# KiCad board [DFR1142]Lite Carrier for LattePanda Mu.kicad_pcb (continued)
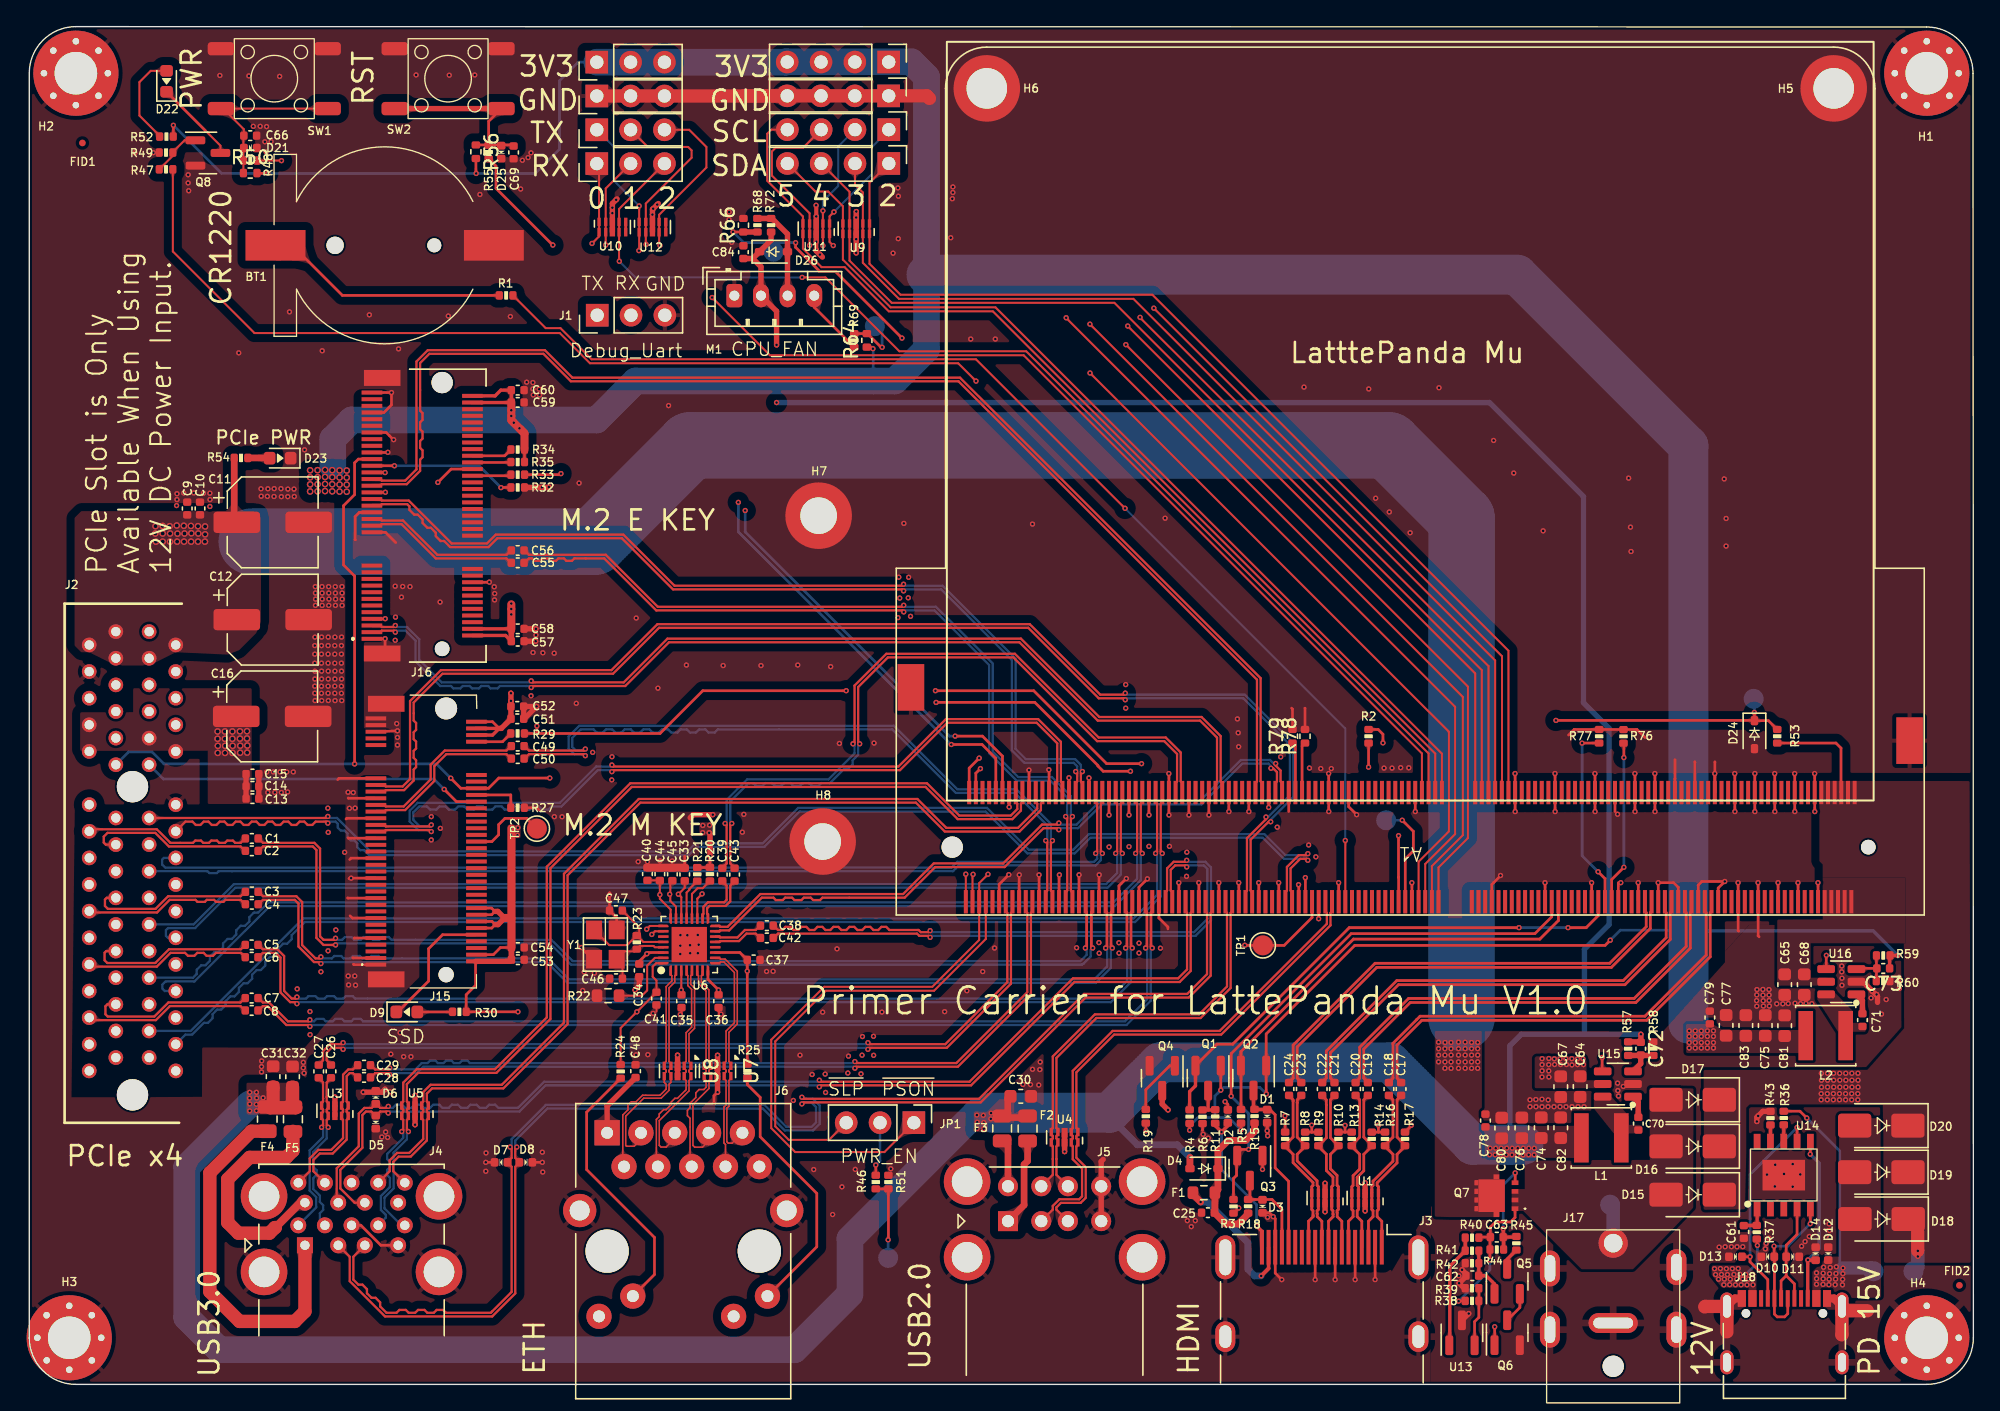
[diagram p0: board, top side]
## Library data of the parts (continued)
Q7 = -: DF_Comment: PMOS管NCE30P28Q-DFN3.3X3.3-8L
R1 R11 R37 R47 = -: DF_Comment: 贴片电阻0402-1K-1%; ki_fp_filters: R_*
R2 R20 R21 R34-R36 R38 R40 R49 R50 R56 R58 = -: DF_Comment: 贴片电阻0402-10K-1%; ki_fp_filters: R_*
R3 R5 R15 R18 R19 R30 R39 R52 R53 = -: DF_Comment: 贴片电阻0402-2.2K-1%; ki_fp_filters: R_*
R4 R23 = -: DF_Comment: 贴片电阻0402-1M-1%; ki_fp_filters: R_*
R6 R41 R42 R54 R59 R66 R68 = -: DF_Comment: 贴片电阻0402-21.5K-1%; ki_fp_filters: R_*
R7-R10 R13 R14 R16 R17 R24 R25 = -: DF_Comment: 贴片电阻0402-470R-1%; ki_fp_filters: R_*
R22 = -: DF_Comment: 贴片电阻0603-2.49K-1%(0603-1.6*0.8*0.4); ki_fp_filters: R_*
R27 R29 R32 R33 = -: DF_Comment: 贴片电阻0402-0R-1%; ki_fp_filters: R_*
R43 = -: DF_Comment: 贴片电阻0402-56K-1%(0402); ki_fp_filters: R_*
R44 R45 R51 R76 R77 = -: DF_Comment: 贴片电阻0402-100K-1%; ki_fp_filters: R_*
R46 R48 R55 R69 = -: DF_Comment: 贴片电阻0402-100R-1%; ki_fp_filters: R_*
R57 = -: DF_Comment: 贴片电阻0402-75K-1%; ki_fp_filters: R_*
R60 R64 R72 = -: DF_Comment: 贴片电阻0402-4.7K-1%; ki_fp_filters: R_*
R78 R79 = -: Description: Resistor; ki_fp_filters: R_*
SW1 SW2 = -: DF_Comment: 4脚贴片轻触按键6*6*6mm(金属盖板)
TP1 TP2 = -: ki_fp_filters: Pin* Test*
TP3-TP13 = -: Description: test point; ki_fp_filters: Pin* Test*
U1 U2 = -: Datasheet: https://www.diodes.com/assets/Datasheets/D3V3XA4B10LP.pdf; Buy_Link: https://item.szlcsc.com/2973358.html; DF_Comment: ESD静电保护IC-TPAZ1023-04F-DFN2510-10L; ki_fp_filters: Diodes*UDFN*1.0x2.5mm*P0.5mm*
U3-U5 U7-U12 = -: Datasheet: https://www.diodes.com/assets/Datasheets/D3V3XA4B10LP.pdf; DF_Comment: ESD静电保护IC-BV-ULC0524P-DFN2510-10L; ki_fp_filters: Diodes*UDFN*1.0x2.5mm*P0.5mm*
U6 = -: DF_Comment: 以太网控制器IC-RTL8111H-CG-RH(PCIE-LAN)-QFN32; ki_fp_filters: RTL8111H_QFN32
U13 = -: Datasheet: http://www.ti.com/lit/ds/symlink/tl431.pdf; DF_Comment: 参考电压-TL431ACDBZR-SOT23（丝印TAC）; ki_fp_filters: SOT?23*
U14 = -: DF_Comment: USB PD等快充协议受电芯片-CH224K-ESSOP10; ki_fp_filters: ESSOP10
U15 U16 = -: Datasheet: https://atta.szlcsc.com/upload/public/pdf/source/20180625/C93736_E75EC6FD4320D65590D2D5BF0D8B8959.pdf; Buy_Link: https://item.szlcsc.com/94934.html; DF_Comment: Buck IC-SY8253ADC-TSOT-23-6; ki_fp_filters: TSOT?23*
Y1 = -: DF_Comment: 贴片晶振-4脚无源-25M-20ppm-3.2*2.5(3225); ki_fp_filters: Crystal*

## Footprints (pads in the part's own frame, mm; a bottom-side part is the same pattern mirrored in y, then rotated)
Battery_Holder_CR1220_S8411-45R
  round 1.05 hole 1.05 unplated: (0,3.725)
  round 1.3 hole 1.3 unplated: (0,-3.725)
  rect 2.3x4.5 smd: 1(0,-8.2) 2(0,8.2)
C_0402_1005Metric
  rrect 0.56x0.62 smd: 1(-0.48,0) 2(0.48,0)
C_0603_1608Metric
  rrect 0.9x0.95 smd: 1(-0.775,0) 2(0.775,0)
CP_Elec_6.3x7.7
  rrect 3.5x1.6 smd: 1(-2.7,0) 2(2.7,0)
Crystal_SMD_3225-4Pin_3.2x2.5mm
  rect 1.4x1.2 smd: 1(-1.1,-0.85) 2(1.1,-0.85) 3(1.1,0.85) 4(-1.1,0.85)
D_0402_1005Metric
  rrect 0.59x0.64 smd: 1(-0.485,0) 2(0.485,0)
D_SMA
  rrect 2.5x1.8 smd: 1(-2,0) 2(2,0)
D_SOD-323
  rrect 0.7x0.55 smd: 1(-1.05,0) 2(1.05,0)
DC_Jack_DC007B_30V_10A
  round 1.6 hole 1.6 unplated: (0,-2.75)
  round 2.2 hole 1.4: 1(0,-12)
  oval 3.7x1.5 hole 3x0.8: 2(0,-6)
  oval 1.5x2.7 hole 0.8x2: 3(-4.75,-5.5) 3(-4.75,-10.2) 3(4.75,-5.5) 3(4.75,-10.1)
Diodes_UDFN-10_1.0x2.5mm_P0.5mm
  rect 0.625x0.25 smd: 1(-0.388,1) 2(-0.388,0.5) 4(-0.388,-0.5) 5(-0.388,-1) 6(0.388,-1) 7(0.388,-0.5) 9(0.388,0.5) 10(0.388,1)
  rect 0.7x0.4 smd: 3(-0.35,0)
  rect 0.575x0.4 smd: 8(0.412,0)
Diodes_UDFN-10_1.0x2.5mm_P0.5mm#2
  rect 0.625x0.25 smd: 1(-0.388,1) 2(-0.388,0.5) 4(-0.388,-0.5) 5(-0.388,-1) 6(0.388,-1) 7(0.388,-0.5) 9(0.388,0.5) 10(0.388,1)
  rect 0.7x0.45 smd: 3(-0.35,0)
  rect 0.575x0.45 smd: 8(0.412,0)
ESSOP-10-1EP_3.9x5mm_P1.0mm_EP3.2x2.3
  rect 2.3x3.2 smd: 0(0,0)
  rect 1.1x0.51 smd: 1(-2.55,2) 2(-2.55,1) 3(-2.55,0) 4(-2.55,-1) 5(-2.55,-2) 6(2.55,-2) 7(2.55,-1) 8(2.55,0) 9(2.55,1) 10(2.55,2)
Fiducial_0.5mm_Mask1mm
  round 0.5 smd: (0,0)
Fuse_0805_2012Metric
  rrect 0.975x1.4 smd: 1(-0.938,0) 2(0.938,0)
HDMI_A_Molex_208658-1001_Horizontal
  rect 2.6x0.3 smd: 1(-3.285,4.5) 2(-3.285,4) 3(-3.285,3.5) 4(-3.285,3) 5(-3.285,2.5) 6(-3.285,2) 7(-3.285,1.5) 8(-3.285,1) 9(-3.285,0.5) 10(-3.285,0) 11(-3.285,-0.5) 12(-3.285,-1) 13(-3.285,-1.5) 14(-3.285,-2) 15(-3.285,-2.5) 16(-3.285,-3) 17(-3.285,-3.5) 18(-3.285,-4) 19(-3.285,-4.5)
  oval 3.3x1.5 hole 2.7x0.9: SH(-2.525,7.25) SH(-2.525,-7.25)
  oval 2.3x1.5 hole 1.7x0.9: SH(3.435,7.25) SH(3.435,-7.25)
JST_PH_B4B-PH-K_1x04_P2.00mm_Vertical
  rrect 1.2x1.75 hole 0.75: 1(0,0)
  oval 1.2x1.75 hole 0.75: 2(2,0) 3(4,0) 4(6,0)
L_Sunlord_SWPA4020S
  rect 1.1x3.7 smd: 1(-1.5,0) 2(1.5,0)
LattePanda_Module_H8.0mm_Horizontal
  round 1.1 hole 1.1 unplated: (-34.4,0)
  round 1.6 hole 1.6 unplated: (34.4,0)
  rect 0.3x1.75 smd: 1(33.375,4.1) 2(33.125,-4.1) 3(32.875,4.1) 4(32.625,-4.1) 5(32.375,4.1) 6(32.125,-4.1) 7(31.875,4.1) 8(31.625,-4.1) 9(31.375,4.1) 10(31.125,-4.1) 11(30.875,4.1) 12(30.625,-4.1) 13(30.375,4.1) 14(30.125,-4.1) 15(29.875,4.1) 16(29.625,-4.1) 17(29.375,4.1) 18(29.125,-4.1) 19(28.875,4.1) 20(28.625,-4.1) 21(28.375,4.1) 22(28.125,-4.1) 23(27.875,4.1) 24(27.625,-4.1) 25(27.375,4.1) 26(27.125,-4.1) 27(26.875,4.1) 28(26.625,-4.1) 29(26.375,4.1) 30(26.125,-4.1) 31(25.875,4.1) 32(25.625,-4.1) 33(25.375,4.1) 34(25.125,-4.1) 35(24.875,4.1) 36(24.625,-4.1) 37(24.375,4.1) 38(24.125,-4.1) 39(23.875,4.1) 40(23.625,-4.1) 41(23.375,4.1) 42(23.125,-4.1) 43(22.875,4.1) 44(22.625,-4.1) 45(22.375,4.1) 46(22.125,-4.1) 47(21.875,4.1) 48(21.625,-4.1) 49(21.375,4.1) 50(21.125,-4.1) 51(20.875,4.1) 52(20.625,-4.1) 53(20.375,4.1) 54(20.125,-4.1) 55(19.875,4.1) 56(19.625,-4.1) 57(19.375,4.1) 58(19.125,-4.1) 59(18.875,4.1) 60(18.625,-4.1) 61(18.375,4.1) 62(18.125,-4.1) 63(17.875,4.1) 64(17.625,-4.1) 65(17.375,4.1) 66(17.125,-4.1) 67(16.875,4.1) 68(16.625,-4.1) 69(16.375,4.1) 70(16.125,-4.1) 71(15.875,4.1) 72(15.625,-4.1) 73(15.375,4.1) 74(15.125,-4.1) 75(14.875,4.1) 76(14.625,-4.1) 77(14.375,4.1) 78(14.125,-4.1) 79(13.875,4.1) 80(13.625,-4.1) 81(13.375,4.1) 82(13.125,-4.1) 83(12.875,4.1) 84(12.625,-4.1) 85(12.375,4.1) 86(12.125,-4.1) 87(11.875,4.1) 88(11.625,-4.1) 89(11.375,4.1) 90(11.125,-4.1) 91(10.875,4.1) 92(10.625,-4.1) 93(10.375,4.1) 94(10.125,-4.1) 95(9.875,4.1) 96(9.625,-4.1) 97(9.375,4.1) 98(9.125,-4.1) 99(8.875,4.1) 100(8.625,-4.1) 101(8.375,4.1) 102(8.125,-4.1) 103(7.875,4.1) 104(7.625,-4.1) 105(7.375,4.1) 106(7.125,-4.1) 107(6.875,4.1) 108(6.625,-4.1) 109(6.375,4.1) 110(6.125,-4.1) 111(5.875,4.1) 112(5.625,-4.1) 113(5.375,4.1) 114(5.125,-4.1) 115(4.875,4.1) 116(4.625,-4.1) 117(4.375,4.1) 118(4.125,-4.1) 119(3.875,4.1) 120(3.625,-4.1) 121(3.375,4.1) 122(3.125,-4.1) 123(2.875,4.1) 124(2.625,-4.1) 125(2.375,4.1) 126(2.125,-4.1) 127(1.875,4.1) 128(1.625,-4.1) 129(1.375,4.1) 130(1.125,-4.1) 131(0.875,4.1) 132(0.625,-4.1) 133(0.375,4.1) 134(0.125,-4.1) 135(-0.125,4.1) 136(-0.375,-4.1) 137(-0.625,4.1) 138(-0.875,-4.1) 139(-1.125,4.1) 140(-1.375,-4.1) 141(-1.625,4.1) 142(-1.875,-4.1) 143(-2.125,4.1) 144(-2.375,-4.1) 145(-4.625,4.1) 146(-4.875,-4.1) 147(-5.125,4.1) 148(-5.375,-4.1) 149(-5.625,4.1) 150(-5.875,-4.1) 151(-6.125,4.1) 152(-6.375,-4.1) 153(-6.625,4.1) 154(-6.875,-4.1) 155(-7.125,4.1) 156(-7.375,-4.1) 157(-7.625,4.1) 158(-7.875,-4.1) 159(-8.125,4.1) 160(-8.375,-4.1) 161(-8.625,4.1) 162(-8.875,-4.1) 163(-9.125,4.1) 164(-9.375,-4.1) 165(-9.625,4.1) 166(-9.875,-4.1) 167(-10.125,4.1) 168(-10.375,-4.1) 169(-10.625,4.1) 170(-10.875,-4.1) 171(-11.125,4.1) 172(-11.375,-4.1) 173(-11.625,4.1) 174(-11.875,-4.1) 175(-12.125,4.1) 176(-12.375,-4.1) 177(-12.625,4.1) 178(-12.875,-4.1) 179(-13.125,4.1) 180(-13.375,-4.1) 181(-13.625,4.1) 182(-13.875,-4.1) 183(-14.125,4.1) 184(-14.375,-4.1) 185(-14.625,4.1) 186(-14.875,-4.1) 187(-15.125,4.1) 188(-15.375,-4.1) 189(-15.625,4.1) 190(-15.875,-4.1) 191(-16.125,4.1) 192(-16.375,-4.1) 193(-16.625,4.1) 194(-16.875,-4.1) 195(-17.125,4.1) 196(-17.375,-4.1) 197(-17.625,4.1) 198(-17.875,-4.1) 199(-18.125,4.1) 200(-18.375,-4.1) 201(-18.625,4.1) 202(-18.875,-4.1) 203(-19.125,4.1) 204(-19.375,-4.1) 205(-19.625,4.1) 206(-19.875,-4.1) 207(-20.125,4.1) 208(-20.375,-4.1) 209(-20.625,4.1) 210(-20.875,-4.1) 211(-21.125,4.1) 212(-21.375,-4.1) 213(-21.625,4.1) 214(-21.875,-4.1) 215(-22.125,4.1) 216(-22.375,-4.1) 217(-22.625,4.1) 218(-22.875,-4.1) 219(-23.125,4.1) 220(-23.375,-4.1) 221(-23.625,4.1) 222(-23.875,-4.1) 223(-24.125,4.1) 224(-24.375,-4.1) 225(-24.625,4.1) 226(-24.875,-4.1) 227(-25.125,4.1) 228(-25.375,-4.1) 229(-25.625,4.1) 230(-25.875,-4.1) 231(-26.125,4.1) 232(-26.375,-4.1) 233(-26.625,4.1) 234(-26.875,-4.1) 235(-27.125,4.1) 236(-27.375,-4.1) 237(-27.625,4.1) 238(-27.875,-4.1) 239(-28.125,4.1) 240(-28.375,-4.1) 241(-28.625,4.1) 242(-28.875,-4.1) 243(-29.125,4.1) 244(-29.375,-4.1) 245(-29.625,4.1) 246(-29.875,-4.1) 247(-30.125,4.1) 248(-30.375,-4.1) 249(-30.625,4.1) 250(-30.875,-4.1) 251(-31.125,4.1) 252(-31.375,-4.1) 253(-31.625,4.1) 254(-31.875,-4.1) 255(-32.125,4.1) 256(-32.375,-4.1) 257(-32.625,4.1) 258(-32.875,-4.1) 259(-33.125,4.1) 260(-33.375,-4.1)
  rect 2x3.5 smd: MP(-37.5,-8) MP(37.5,-12)
LED_0603_1608Metric
  rrect 0.875x0.95 smd: 1(-0.787,0) 2(0.787,0)
MOSFET_PDFN8_3.3x3.3
  rect 0.35x0.5 smd: 1(-0.975,-1.4) 2(-0.325,-1.4) 3(0.325,-1.4) 4(0.975,-1.4)
  rect 0.4x0.3 smd: 5(0.975,1.5) 6(0.325,1.5) 7(-0.325,1.5) 8(-0.975,1.5)
  rect 2.45x1.98 smd: 9(0,0.36)
  rect 0.38x0.43 smd: 10(1.415,0) 11(-1.415,0)
MountingHole_2.7mm_M2_Pad_TopOnly
  round 2.9 hole 2.75: 1(0,0)
  round 5 smd: 1(0,0)
MountingHole_3.2mm_M3_Pad_Via
  round 0.8 hole 0.5: 1(-2.4,0) 1(-1.697,1.697) 1(-1.697,-1.697) 1(0,2.4) 1(0,-2.4) 1(1.697,1.697) 1(1.697,-1.697) 1(2.4,0)
  round 6.4 hole 3.2: 1(0,0)
MountingHole_3mm_M2_Pad_TopOnly
  round 3.2 hole 3.05: 1(0,0)
  round 5 smd: 1(0,0)
PCIe_M.2_Connectors_P=0.5mm_H=4.2mm_KeyE
  round 1.1 hole 1.1 unplated: (-0.75,-5.275)
  round 1.6 hole 1.6 unplated: (19.25,-5.275)
  rect 0.3x1.55 smd: 1(0,0) 2(0.25,-7.55) 3(0.5,0) 4(0.75,-7.55) 5(1,0) 6(1.25,-7.55) 7(1.5,0) 8(1.75,-7.55) 9(2,0) 10(2.25,-7.55) 11(2.5,0) 12(2.75,-7.55) 13(3,0) 14(3.25,-7.55) 15(3.5,0) 16(3.75,-7.55) 17(4,0) 18(4.25,-7.55) 19(4.5,0) 20(4.75,-7.55) 21(5,0) 22(5.25,-7.55) 23(5.5,0) 32(7.75,-7.55) 33(8,0) 34(8.25,-7.55) 35(8.5,0) 36(8.75,-7.55) 37(9,0) 38(9.25,-7.55) 39(9.5,0) 40(9.75,-7.55) 41(10,0) 42(10.25,-7.55) 43(10.5,0) 44(10.75,-7.55) 45(11,0) 46(11.25,-7.55) 47(11.5,0) 48(11.75,-7.55) 49(12,0) 50(12.25,-7.55) 51(12.5,0) 52(12.75,-7.55) 53(13,0) 54(13.25,-7.55) 55(13.5,0) 56(13.75,-7.55) 57(14,0) 58(14.25,-7.55) 59(14.5,0) 60(14.75,-7.55) 61(15,0) 62(15.25,-7.55) 63(15.5,0) 64(15.75,-7.55) 65(16,0) 66(16.25,-7.55) 67(16.5,0) 68(16.75,-7.55) 69(17,0) 70(17.25,-7.55) 71(17.5,0) 72(17.75,-7.55) 73(18,0) 74(18.25,-7.55) 75(18.5,0)
  rect 1.2x2.75 smd: MP1(-1.1,-0.775) MP2(19.6,-0.775)
PCIe_M.2_Connectors_P=0.5mm_H=4.2mm_KeyM
  round 1.15 hole 1.15 unplated: (-10,-1.7)
  round 1.65 hole 1.65 unplated: (10,-1.7)
  rect 0.3x1.55 smd: 1(-9.25,3.575) 2(-9,-3.975) 3(-8.75,3.575) 4(-8.5,-3.975) 5(-8.25,3.575) 6(-8,-3.975) 7(-7.75,3.575) 8(-7.5,-3.975) 9(-7.25,3.575) 10(-7,-3.975) 11(-6.75,3.575) 12(-6.5,-3.975) 13(-6.25,3.575) 14(-6,-3.975) 15(-5.75,3.575) 16(-5.5,-3.975) 17(-5.25,3.575) 18(-5,-3.975) 19(-4.75,3.575) 20(-4.5,-3.975) 21(-4.25,3.575) 22(-4,-3.975) 23(-3.75,3.575) 24(-3.5,-3.975) 25(-3.25,3.575) 26(-3,-3.975) 27(-2.75,3.575) 28(-2.5,-3.975) 29(-2.25,3.575) 30(-2,-3.975) 31(-1.75,3.575) 32(-1.5,-3.975) 33(-1.25,3.575) 34(-1,-3.975) 35(-0.75,3.575) 36(-0.5,-3.975) 37(-0.25,3.575) 38(0,-3.975) 39(0.25,3.575) 40(0.5,-3.975) 41(0.75,3.575) 42(1,-3.975) 43(1.25,3.575) 44(1.5,-3.975) 45(1.75,3.575) 46(2,-3.975) 47(2.25,3.575) 48(2.5,-3.975) 49(2.75,3.575) 50(3,-3.975) 51(3.25,3.575) 52(3.5,-3.975) 53(3.75,3.575) 54(4,-3.975) 55(4.25,3.575) 56(4.5,-3.975) 57(4.75,3.575) 58(5,-3.975) 67(7.25,3.575) 68(7.5,-3.975) 69(7.75,3.575) 70(8,-3.975) 71(8.25,3.575) 72(8.5,-3.975) 73(8.75,3.575) 74(9,-3.975) 75(9.25,3.575)
  rect 1.2x2.75 smd: MP1(-10.35,2.8) MP2(10.35,2.8)
PCIe_x4_Gen3Slot_Connectors
  round 2.35 hole 2.35 unplated: (11.65,-1.25) (34.8,-1.25)
  round 1.1 hole 0.7: A1(0,0) A2(1,2) A3(2,0) A4(3,2) A5(4,0) A6(5,2) A7(6,0) A8(7,2) A9(8,0) A10(9,2) A11(10,0) A12(13,2) A13(14,0) A14(15,2) A15(16,0) A16(17,2) A17(18,0) A18(19,2) A19(20,0) A20(21,2) A21(22,0) A22(23,2) A23(24,0) A24(25,2) A25(26,0) A26(27,2) A27(28,0) A28(29,2) A29(30,0) A30(31,2) A31(32,0) A32(33,2) B1(0,-2.5) B2(1,-4.5) B3(2,-2.5) B4(3,-4.5) B5(4,-2.5) B6(5,-4.5) B7(6,-2.5) B8(7,-4.5) B9(8,-2.5) B10(9,-4.5) B11(10,-2.5) B12(13,-4.5) B13(14,-2.5) B14(15,-4.5) B15(16,-2.5) B16(17,-4.5) B17(18,-2.5) B18(19,-4.5) B19(20,-2.5) B20(21,-4.5) B21(22,-2.5) B22(23,-4.5) B23(24,-2.5) B24(25,-4.5) B25(26,-2.5) B26(27,-4.5) B27(28,-2.5) B28(29,-4.5) B29(30,-2.5) B30(31,-4.5) B31(32,-2.5) B32(33,-4.5)
PinHeader_1x03_P2.54mm_Vertical
  rect 1.7x1.7 hole 1: 1(0,0)
  oval 1.7x1.7 hole 1: 2(0,-2.54) 3(0,-5.08)
PinHeader_1x04_P2.54mm_Vertical
  rect 1.7x1.7 hole 1: 1(0,0)
  oval 1.7x1.7 hole 1: 2(0,-2.54) 3(0,-5.08) 4(0,-7.62)
QFN-32-1EP_4x4mm_P0.4mm_EP2.65x2.65mm
  rrect 1.07x1.07 smd: (-0.66,0.66) (-0.66,-0.66) (0.66,0.66) (0.66,-0.66)
  custom 0.8x0.2 smd: 1(-1.95,1.4) 8(-1.95,-1.4) 17(1.95,-1.4) 24(1.95,1.4)
  rrect 0.8x0.2 smd: 2(-1.95,1) 3(-1.95,0.6) 4(-1.95,0.2) 5(-1.95,-0.2) 6(-1.95,-0.6) 7(-1.95,-1) 18(1.95,-1) 19(1.95,-0.6) 20(1.95,-0.2) 21(1.95,0.2) 22(1.95,0.6) 23(1.95,1)
  custom 0.2x0.8 smd: 9(-1.4,-1.95) 16(1.4,-1.95) 25(1.4,1.95) 32(-1.4,1.95)
  rrect 0.2x0.8 smd: 10(-1,-1.95) 11(-0.6,-1.95) 12(-0.2,-1.95) 13(0.2,-1.95) 14(0.6,-1.95) 15(1,-1.95) 26(1,1.95) 27(0.6,1.95) 28(0.2,1.95) 29(-0.2,1.95) 30(-0.6,1.95) 31(-1,1.95)
  rect 2.65x2.65 smd: 33(0,0)
R_0402_1005Metric
  rrect 0.54x0.64 smd: 1(-0.51,0) 2(0.51,0)
R_0603_1608Metric
  rrect 0.8x0.95 smd: 1(-0.825,0) 2(0.825,0)
R_0805_2012Metric
  rrect 1.025x1.4 smd: 1(-0.912,0) 2(0.912,0)
RJ45_UDE_RB1-125B8G1A
  round 3.25 hole 3.25 unplated: (0,-8.89) (11.43,-8.89)
  round 1.9 hole 0.9: L1(12.04,-12.27) L2(9.5,-13.79) L3(1.93,-12.27) L4(-0.61,-13.79) R2(1.27,-2.54) R3(2.54,0) R4(3.81,-2.54) R5(5.08,0) R6(6.35,-2.54) R7(7.62,0) R8(8.89,-2.54) R9(10.16,0) R10(11.43,-2.54)
  rect 1.9x1.9 hole 0.9: R1(0,0)
  round 2.5 hole 1.5: SH(-2.06,-5.84) SH(13.49,-5.84)
SOT-23
  rrect 1.475x0.6 smd: 1(-0.938,0.95) 2(-0.938,-0.95) 3(0.938,0)
SW_Push_6x6x6
  rrect 2x1 smd: 1(-4,2.25) 1(4,2.25) 2(-4,-2.25) 2(4,-2.25)
TestPoint_Pad_D1.5mm
  round 1.5 smd: 1(0,0)
TSOT-23-6
  rrect 1.325x0.6 smd: 1(-1.137,0.95) 2(-1.137,0) 3(-1.137,-0.95) 4(1.137,-0.95) 5(1.137,0) 6(1.137,0.95)
USB3_A_Molex_48406-0001_Horizontal_Stacked
  rect 1.2x1.2 hole 0.7: 1(0,0)
  round 1.2 hole 0.7: 2(2.5,0) 3(4.5,0) 4(7,0) 5(7.5,1.5) 6(5.5,1.5) 7(3.5,1.5) 8(1.5,1.5) 9(-0.5,1.5) 10(0,3.2) 11(2.5,3.2) 12(4.5,3.2) 13(7,3.2) 14(7.5,4.7) 15(5.5,4.7) 16(3.5,4.7) 17(1.5,4.7) 18(-0.5,4.7)
  round 3.5 hole 2.3: 19(-3.07,3.68) 19(-3.07,-2) 19(10.07,3.68) 19(10.07,-2)
USB_A_CUI_UJ2-ADH-TH_Horizontal_Stacked
  rect 1.5x1.5 hole 0.92: 1(0,0)
  round 1.5 hole 0.92: 2(0,-2.5) 3(0,-4.5) 4(0,-7) 5(2.62,0) 6(2.62,-2.5) 7(2.62,-4.5) 8(2.62,-7)
  round 3.5 hole 2.3: 9(-2.71,3.07) 9(-2.71,-10.07) 9(2.97,3.07) 9(2.97,-10.07)
USB_C_Receptacle_G-Switch_GT-USB-7010ASV
  round 0.65 hole 0.65 unplated: (-2.89,2.605) (2.89,2.605)
  rect 0.6x1.24 smd: A1(-3.2,3.725) A4(-2.4,3.725) A9(2.4,3.725) A12(3.2,3.725) B1(3.2,3.725) B4(2.4,3.725) B9(-2.4,3.725) B12(-3.2,3.725)
  rect 0.3x1.24 smd: A5(-1.25,3.725) A6(-0.25,3.725) A7(0.25,3.725) A8(1.25,3.725) B5(1.75,3.725) B6(0.75,3.725) B7(-0.75,3.725) B8(-1.75,3.725)
  oval 1x2.1 hole 0.6x1.7: S1(-4.32,3.125) S1(4.32,3.125)
  oval 1x1.8 hole 0.6x1.4: S1(-4.32,-1.075) S1(4.32,-1.075)

## Nets
5V_HDMI_VCC: C25.1 D4.1 F1.1 R15.1 R18.1
+1V0: C33.2 C34.2 C35.2 C36.2 C40.2 C44.2 U6.3 U6.8 U6.22 U6.24 U6.30
+3V3: C13.2 C14.2 C15.1 C16.1 C37.2 C41.2 C45.2 C51.2 C52.2 C53.2 C54.2 C57.2 C58.2 C59.2 C60.2 C73.1 C75.2 C77.2 C79.1 C81.2 C83.2 J2.A9 J2.A10 J2.B8 J2.B10 J13.1 J13.2 J13.3 J13.4 J14.1 J14.2 J14.3 J15.2 J15.4 J15.12 J15.14 J15.16 J15.18 J15.70 J15.72 J15.74 J16.2 J16.4 J16.72 J16.74 L2.2 Q1.1 Q2.1 Q3.1 R3.1 R4.1 R5.1 R20.1 R21.1 R24.2 R25.2 R30.2 R34.2 R35.1 R50.2 R52.2 R56.2 R59.2 R64.1 TP6.1 U6.11 U6.23 U6.32
+5V: C30.2 C31.2 C32.2 C72.1 C74.2 C76.2 C78.1 C80.2 C82.2 C84.1 D4.2 D26.1 F2.1 F3.1 F4.1 F5.1 L1.2 M1.2 R57.2 R72.1 TP5.1
+12V: C63.2 D15.2 D16.2 D17.2 J17.1 Q7.1 Q7.2 Q7.3 R38.2 R40.2 R44.2 TP4.1
+12VA: C9.1 C10.1 C11.1 C12.1 J2.A2 J2.A3 J2.B1 J2.B2 J2.B3 Q7.5 Q7.6 Q7.7 Q7.8 Q7.9 Q7.10 Q7.11 R54.1 TP8.1
+15V: D12.1 D18.2 D19.2 D20.2 J18.A4 J18.A9 J18.B4 J18.B9 R36.1 R37.1 TP3.1
GND: A1.11 A1.14 A1.17 A1.20 A1.23 A1.26 A1.29 A1.32 A1.35 A1.38 A1.41 A1.44 A1.47 A1.50 A1.53 A1.56 A1.59 A1.62 A1.65 A1.68 A1.71 A1.74 A1.77 A1.80 A1.83 A1.86 A1.89 A1.92 A1.95 A1.98 A1.101 A1.107 A1.110 A1.113 A1.116 A1.135 A1.136 A1.151 A1.158 A1.167 A1.170 A1.181 A1.182 A1.188 A1.189 A1.194 A1.195 A1.200 A1.201 A1.206 A1.207 A1.212 A1.213 A1.218 A1.219 A1.224 A1.225 A1.230 A1.231 A1.236 A1.237 A1.242 A1.243 A1.248 A1.249 A1.MP BT1.2 C9.2 C10.2 C11.2 C12.2 C13.1 C14.1 C15.2 C16.2 C25.2 C30.1 C31.1 C32.1 C33.1 C34.1 C35.1 C36.1 C37.1 C40.1 C41.1 C44.1 C45.1 C46.1 C47.1 C48.2 C51.1 C52.1 C53.1 C54.1 C57.1 C58.1 C59.1 C60.1 C61.2 C62.2 C64.1 C65.1 C66.2 C67.1 C68.1 C69.2 C74.1 C75.1 C76.1 C77.1 C78.2 C79.2 C80.1 C81.1 C82.1 C83.1 C84.2 D1.1 D2.1 D3.1 D5.1 D6.1 D7.1 D8.1 D10.1 D11.1 D12.2 D13.2 D14.2 D21.1 D23.1 D24.2 D25.1 H1.1 H2.1 H3.1 H4.1 H5.1 H6.1 H7.1 H8.1 J1.3 J2.A1 J2.A4 J2.A12 J2.A15 J2.A18 J2.A20 J2.A23 J2.A24 J2.A27 J2.A28 J2.A31 J2.B4 J2.B7 J2.B13 J2.B16 J2.B17 J2.B18 J2.B21 J2.B22 J2.B25 J2.B26 J2.B29 J2.B31 J2.B32 J3.2 J3.5 J3.8 J3.11 J3.17 J3.SH J4.4 J4.7 J4.13 J4.16 J4.19 J5.4 J5.8 J5.9 J6.R10 J6.SH J11.1 J11.2 J11.3 J12.1 J12.2 J12.3 J12.4 J15.1 J15.3 J15.9 J15.15 J15.21 J15.27 J15.33 J15.39 J15.45 J15.51 J15.57 J15.71 J15.73 J15.75 J15.MP1 J15.MP2 J16.1 J16.7 J16.18 J16.33 J16.39 J16.45 J16.51 J16.57 J16.63 J16.69 J16.75 J16.MP1 J16.MP2 J17.2 J17.3 J18.A1 J18.A12 J18.B1 J18.B12 J18.S1 M1.1 Q4.2 Q6.2 Q8.2 R6.2 R22.1 R27.2 R32.2 R39.1 R42.1 R43.2 R49.1 R51.1 R58.1 R60.1 R66.2 R76.2 R77.2 R78.2 R79.2 SW1.2 SW2.2 U1.3 U1.8 U2.3 U2.8 U3.3 U3.8 U4.3 U4.8 U5.3 U5.8 U6.33 U7.3 U7.8 U8.3 U8.8 U9.3 U9.8 U10.3 U10.8 U11.3 U11.8 U12.3 U12.8 U13.3 U14.0 U15.2 U16.2 Y1.2 Y1.4
+BATT: A1.115 R1.1
/Fan_Temp/FAN_1_PWM: A1.2 R64.2 R69.1 TP12.1
/Fan_Temp/FAN_1_TAC: A1.4 R66.1 R68.2 TP11.1
/Gigabit Ethernet/GbE_PCIe_CLK+: A1.94 U6.15
/Gigabit Ethernet/GbE_PCIe_CLK-: A1.96 U6.16
/Gigabit Ethernet/GbE_PCIe_RX+: A1.64 C43.2
/Gigabit Ethernet/GbE_PCIe_RX-: A1.66 C39.2
/Gigabit Ethernet/GbE_PCIe_TX+: A1.61 C42.2
/Gigabit Ethernet/GbE_PCIe_TX-: A1.63 C38.2
/Gigabit Ethernet/HSI+: C42.1 U6.13
/Gigabit Ethernet/HSI-: C38.1 U6.14
/Gigabit Ethernet/HSO+: C43.1 U6.17
/Gigabit Ethernet/HSO-: C39.1 U6.18
/Gigabit Ethernet/LED0_100: U6.27
/Gigabit Ethernet/LED1_1000: J6.L4 U6.26
/Gigabit Ethernet/LED2_ACT: J6.L2 U6.25
/Gigabit Ethernet/MDI0+: J6.R2 U6.1 U8.5 U8.6
/Gigabit Ethernet/MDI0-: J6.R3 U6.2 U8.4 U8.7
/Gigabit Ethernet/MDI1+: J6.R4 U6.4 U8.2 U8.9
/Gigabit Ethernet/MDI1-: J6.R5 U6.5 U8.1 U8.10
/Gigabit Ethernet/MDI2+: J6.R6 U6.6 U7.5 U7.6
/Gigabit Ethernet/MDI2-: J6.R7 U6.7 U7.4 U7.7
/Gigabit Ethernet/MDI3+: J6.R8 U6.9 U7.2 U7.9
/Gigabit Ethernet/MDI3-: J6.R9 U6.10 U7.1 U7.10
/GPIO/I2C2_SCL: A1.154 J9.1 U11.1 U11.10
/GPIO/I2C2_SDA: A1.156 J7.1 U9.1 U9.10
/GPIO/I2C3_SCL: A1.150 J9.2 U11.2 U11.9
/GPIO/I2C3_SDA: A1.152 J7.2 U9.2 U9.9
/GPIO/I2C4_SCL: A1.146 J9.3 U11.4 U11.7
/GPIO/I2C4_SDA: A1.148 J7.3 U9.4 U9.7
/GPIO/I2C5_SCL: A1.142 J9.4 U11.5 U11.6
/GPIO/I2C5_SDA: A1.144 J7.4 U9.5 U9.6
/GPIO/SOC_UART0_RX: A1.137 J8.1 U10.1 U10.10
/GPIO/SOC_UART0_TX: A1.139 J10.1 U12.1 U12.10
/GPIO/SOC_UART1_RX: A1.141 J8.2 U10.2 U10.9
/GPIO/SOC_UART1_TX: A1.143 J10.2 U12.2 U12.9
/GPIO/SOC_UART2_RX: A1.140 J8.3 U10.4 U10.7
/GPIO/SOC_UART2_TX: A1.138 J10.3 U12.4 U12.7
/HDMI/DDC_SCL: D1.2 J3.15 Q2.3 R15.2
/HDMI/DDC_SDA: D3.2 J3.16 Q3.3 R18.2
/HDMI/DDI_B_DDC_SCL: A1.171 Q2.2 R5.2
/HDMI/DDI_B_DDC_SDA: A1.169 Q3.2 R3.2
/HDMI/DDI_B_HPD: A1.183 Q1.2 R4.2
/HDMI/DDI_B_TX0+: A1.217 C17.1
/HDMI/DDI_B_TX0-: A1.215 C18.1
/HDMI/DDI_B_TX1+: A1.211 C19.1
/HDMI/DDI_B_TX1-: A1.209 C20.1
/HDMI/DDI_B_TX2+: A1.205 C21.1
/HDMI/DDI_B_TX2-: A1.203 C22.1
/HDMI/DDI_B_TX3+: A1.199 C23.1
/HDMI/DDI_B_TX3-: A1.197 C24.1
/HDMI/HPD: D2.2 J3.19 R11.2
/HDMI/TMDS_CK+: C23.2 J3.10 R8.1 U2.4 U2.7
/HDMI/TMDS_CK-: C24.2 J3.12 R7.1 U2.5 U2.6
/HDMI/TMDS_D0+: C21.2 J3.7 R10.1 U2.1 U2.10
/HDMI/TMDS_D0-: C22.2 J3.9 R9.1 U2.2 U2.9
/HDMI/TMDS_D1+: C19.2 J3.4 R14.1 U1.4 U1.7
/HDMI/TMDS_D1-: C20.2 J3.6 R13.1 U1.5 U1.6
/HDMI/TMDS_D2+: C17.2 J3.1 R17.1 U1.1 U1.10
/HDMI/TMDS_D2-: C18.2 J3.3 R16.1 U1.2 U1.9
/LattePanda Module/HSIO_0_TX+: A1.13 C27.1
/LattePanda Module/HSIO_0_TX-: A1.15 C26.1
/LattePanda Module/HSIO_1_TX+: A1.19 C29.1
/LattePanda Module/HSIO_1_TX-: A1.21 C28.1
/LattePanda Module/HSIO_2_RX+: A1.28 J15.43
/LattePanda Module/HSIO_2_RX-: A1.30 J15.41
/LattePanda Module/HSIO_2_TX+: A1.25 C49.1
/LattePanda Module/HSIO_2_TX-: A1.27 C50.1
/LattePanda Module/HSIO_3_RX+: A1.34 J16.41
/LattePanda Module/HSIO_3_RX-: A1.36 J16.43
/LattePanda Module/HSIO_3_TX+: A1.31 C55.1
/LattePanda Module/HSIO_3_TX-: A1.33 C56.1
/LattePanda Module/HSIO_8_RX+: A1.40 J2.A16
/LattePanda Module/HSIO_8_RX-: A1.42 J2.A17
/LattePanda Module/HSIO_8_TX+: A1.37 C1.1
/LattePanda Module/HSIO_8_TX-: A1.39 C2.1
/LattePanda Module/HSIO_9_RX+: A1.46 J2.A21
/LattePanda Module/HSIO_9_RX-: A1.48 J2.A22
/LattePanda Module/HSIO_9_TX+: A1.43 C3.1
/LattePanda Module/HSIO_9_TX-: A1.45 C4.1
/LattePanda Module/HSIO_10_RX+: A1.52 J2.A25
/LattePanda Module/HSIO_10_RX-: A1.54 J2.A26
/LattePanda Module/HSIO_10_TX+: A1.49 C5.1
/LattePanda Module/HSIO_10_TX-: A1.51 C6.1
/LattePanda Module/HSIO_11_RX+: A1.58 J2.A29
/LattePanda Module/HSIO_11_RX-: A1.60 J2.A30
/LattePanda Module/HSIO_11_TX+: A1.55 C7.1
/LattePanda Module/HSIO_11_TX-: A1.57 C8.1
/LattePanda Module/REFCLK0+: A1.85 J15.53
/LattePanda Module/REFCLK0-: A1.87 J15.55
/LattePanda Module/REFCLK2+: A1.97 J2.A13
/LattePanda Module/REFCLK2-: A1.99 J2.A14
/LattePanda Module/REFCLK3+: A1.88 J16.47
/LattePanda Module/REFCLK3-: A1.90 J16.49
/LattePanda Module/SLS_S3: A1.7 JP1.3
/LattePanda Module/SUSCLK_WIFI: A1.131 R29.2 R33.2
/LattePanda Module/USB_2_P7+: A1.76 J16.3
/LattePanda Module/USB_2_P7-: A1.78 J16.5
/LattePanda Module/~{PWR_SW}: A1.1 R48.2
/LattePanda Module/~{RST_SW}: A1.3 R55.2
/M.2 E&M Key/CON_PCIE_TX_0+: C55.2 J16.35
/M.2 E&M Key/CON_PCIE_TX_0-: C56.2 J16.37
/M.2 E&M Key/CON_PCIE_TX_1+: C49.2 J15.49
/M.2 E&M Key/CON_PCIE_TX_1-: C50.2 J15.47
/M.2 E&M Key/~{CLKREQE}: J16.53 R32.1
/M.2 E&M Key/~{CLKREQM}: J15.52 R27.1
/PCIe x4/PCIE30_TX0_N: C2.2 J2.B15
/PCIe x4/PCIE30_TX0_P: C1.2 J2.B14
/PCIe x4/PCIE30_TX1_N: C4.2 J2.B20
/PCIe x4/PCIE30_TX1_P: C3.2 J2.B19
/PCIe x4/PCIE30_TX2_N: C6.2 J2.B24
/PCIe x4/PCIE30_TX2_P: C5.2 J2.B23
/PCIe x4/PCIE30_TX3_N: C8.2 J2.B28
/PCIe x4/PCIE30_TX3_P: C7.2 J2.B27
/PSU/CC1: D13.1 J18.A5 U14.7
/PSU/CC2: D14.1 J18.B5 U14.6
/PSU/PWR_C_D+: D11.2 J18.A6 J18.B6 U14.4
/PSU/PWR_C_D-: D10.2 J18.A7 J18.B7 U14.5
/PSU/PWR_EN: Q6.1 R46.2 R51.2 TP9.1 U15.4 U16.4
/USB2.0&USB3.0/CON_USB1_D_N: A1.109 J5.2 U4.2 U4.9
/USB2.0&USB3.0/CON_USB1_D_P: A1.111 J5.3 U4.1 U4.10
/USB2.0&USB3.0/CON_USB2_D_N: A1.79 J5.6 U4.5 U4.6
/USB2.0&USB3.0/CON_USB2_D_P: A1.81 J5.7 U4.4 U4.7
/USB2.0&USB3.0/CON_USB3_D_N: A1.73 D8.2 J4.2
/USB2.0&USB3.0/CON_USB3_D_P: A1.75 D7.2 J4.3
/USB2.0&USB3.0/CON_USB3_SSRX_N: A1.18 J4.5 U5.4 U5.7
/USB2.0&USB3.0/CON_USB3_SSRX_P: A1.16 J4.6 U5.5 U5.6
/USB2.0&USB3.0/CON_USB3_SSTX_N: C26.2 J4.8 U3.4 U3.7
/USB2.0&USB3.0/CON_USB3_SSTX_P: C27.2 J4.9 U3.5 U3.6
/USB2.0&USB3.0/CON_USB4_D_N: A1.67 D6.2 J4.11
/USB2.0&USB3.0/CON_USB4_D_P: A1.69 D5.2 J4.12
/USB2.0&USB3.0/CON_USB4_SSRX_N: A1.24 J4.14 U5.1 U5.10
/USB2.0&USB3.0/CON_USB4_SSRX_P: A1.22 J4.15 U5.2 U5.9
/USB2.0&USB3.0/CON_USB4_SSTX_N: C28.2 J4.17 U3.1 U3.10
/USB2.0&USB3.0/CON_USB4_SSTX_P: C29.2 J4.18 U3.2 U3.9
/~{PLT_RST}: A1.105 J2.A11 J15.50 J16.52 TP1.1 U6.19
/~{PWR_LED}/~{PSON}: A1.5 JP1.1 R19.1 R47.1
/~{WAKE}: A1.103 J2.B11 J15.54 J16.55
VDC: A1.250 A1.251 A1.252 A1.253 A1.254 A1.255 A1.256 A1.257 A1.258 A1.259 A1.260 C64.2 C65.2 C67.2 C68.2 D15.1 D16.1 D17.1 D18.1 D19.1 D20.1 R53.1 TP10.1 U15.5 U16.5
VPullup: D24.1 R2.2 R53.2 TP13.1
Net-(A1-SIO_UART_RX): A1.12 J1.2
Net-(A1-SIO_UART_TX): A1.10 J1.1
Net-(A1-TCP0_HPD): A1.187 R76.1
Net-(A1-TCP1_HPD): A1.185 R77.1
Net-(A1-~{BIOS_SEL}): A1.133 R2.1 TP7.1
Net-(A1-~{CLKREQ3}): A1.100 R79.1
Net-(A1-~{CLKREQ4}): A1.102 R78.1
Net-(BT1-+): BT1.1 R1.2
Net-(D9-A): D9.2 R30.1
Net-(D9-K): D9.1 J15.10
Net-(D21-A2): C66.1 D21.2 R48.1 R50.1 SW1.1
Net-(D22-A): D22.2 R52.1
Net-(D22-K): D22.1 Q8.3
Net-(D23-A): D23.2 R54.2
Net-(D25-A2): C69.1 D25.2 R55.1 R56.1 SW2.1
Net-(D26-A): D26.2 M1.3 R68.1 R72.2
Net-(J3-+5V): F1.2 J3.18
Net-(J4A-VBUS1): F4.2 J4.1
Net-(J4B-VBUS2): F5.2 J4.10
Net-(J5-VBUS1): F2.2 J5.1
Net-(J5-VBUS2): F3.2 J5.5
Net-(J6-CT): C48.1 J6.R1
Net-(J6-PadL1): J6.L1 R25.1
Net-(J6-PadL3): J6.L3 R24.1
Net-(J15-DEVSLP): J15.38 TP2.1
Net-(J15-PEDET): J15.69
Net-(J15-SUSCLK): J15.68 R29.1
Net-(J16-SUSCLK): J16.50 R33.1
Net-(J16-~{W_DISABLE1}): J16.56 R34.1
Net-(J16-~{W_DISABLE2}): J16.54 R35.2
Net-(JP1-C): JP1.2 R46.1
Net-(M1-PWM): M1.4 R69.2
Net-(Q1-D): Q1.3 R6.1 R11.1
Net-(Q4-D): Q4.3 R7.2 R8.2 R9.2 R10.2 R13.2 R14.2 R16.2 R17.2
Net-(Q4-G): Q4.1 R19.2
Net-(Q5-D): Q5.3 R45.1
Net-(Q5-G): C62.1 Q5.1 R41.1 R42.2
Net-(Q5-S): Q5.2 Q6.3
Net-(Q7-G): C63.1 Q7.4 R44.1 R45.2
Net-(Q8-G): Q8.1 R47.2 R49.2
Net-(U6-CKXTAL1): C47.2 R23.2 U6.28 Y1.1
Net-(U6-CKXTAL2): C46.2 R23.1 U6.29 Y1.3
Net-(U6-ISOLATEB): R20.2 U6.20
Net-(U6-LANWAKEB): R21.2 U6.21
Net-(U6-RSET): R22.2 U6.31
Net-(U10-NC-Pad6): U10.5 U10.6
Net-(U12-NC-Pad6): U12.5 U12.6
Net-(U13-K): R40.1 R41.2 U13.1
Net-(U13-REF): R38.1 R39.2 U13.2
Net-(U14-CFG1): R43.1 U14.9
Net-(U14-VBUS): R36.2 U14.8
Net-(U14-VDD): C61.1 R37.2 U14.1
Net-(U15-BOOST): C70.2 U15.1
Net-(U15-FB): C72.2 R57.1 R58.2 U15.3
Net-(U15-SW): C70.1 L1.1 U15.6
Net-(U16-BOOST): C71.2 U16.1
Net-(U16-FB): C73.2 R59.1 R60.2 U16.3
Net-(U16-SW): C71.1 L2.1 U16.6

Pads without a net: A1 6 8 9 70 72 82 84 91 93 104 106 108 112 114 117 118 119 120 121 122 123 124 125 126 127 128 129 130 132 134 145 147 149 153 155 157 159 160 161 162 163 164 165 166 168 172 173 174 175 176 177 178 179 180 184 186 190 191 192 193 196 198 202 204 208 210 214 216 220 221 222 223 226 227 228 229 232 233 234 235 238 239 240 241 244 245 246 247; J2 A5 A6 A7 A8 A19 A32 B5 B6 B9 B12 B30; J3 13 14; J15 5 6 7 8 11 13 17 19 20 22 23 24 25 26 28 29 30 31 32 34 35 36 37 40 42 44 46 48 56 58 67; J16 6 8 9 10 11 12 13 14 15 16 17 19 20 21 22 23 32 34 36 38 40 42 44 46 48 58 59 60 61 62 64 65 66 67 68 70 71 73; J18 A8 B8; U6 12; U14 2 3 10

## Via types
v1: diameter 0.4, hole 0.2, Top to Bottom, 952 vias
v2: diameter 0.5, hole 0.3, Top to Bottom, 68 vias

## Routing (per net, layer and track width the routed paths; a pad name or vN(x,y) marks a point on that pad's centre or on a via; arc(x,y) is an arc through that point)
5V_HDMI_VCC: length 12.1
  Top w0.508: F1.1 89.04,12.94 C25.1 89.84,12.05 90.78,12.05 91.53,12.81 R18.1 ; F1.1 89.26,14.62 D4.1 89.26,17.55 90.04,18.33 91.34,18.33 92.01,19 R15.1 ; F1.1 89.01,14.38
+1V0: length 30.1
  Top w0.15: U6.24 48.17,35.67 47.36,36.48 C44.2 47.34,37.86 C40.2 ; 48.98,29.47 48.98,29.61 v1(48.97,29.63) U6.3 ; C33.2 49.23,37.3 v1(48.75,36.82) 48.97,36.6 U6.22
  Top w0.2: U6.8 50.97,30.43 v1(51.77,29.63) C36.2 ; C34.2 45.81,31.77 v1(46.38,32.35) 46.47,32.44 U6.30
  In2.PWR w0.4: 47.36,36.14 48.22,36.14 ; 47.36,36.14 v1(47.36,36.79) ; 47.36,36.14 45.71,34.5 45.71,33.19 ; 48.22,36.14 48.3,36.22 48.34,36.22 48.69,36.57 48.69,36.59 48.71,36.61 48.71,36.64 48.75,36.67 v1(48.75,36.82) ; 48.22,36.14 48.22,31.16 48.97,30.41 v1(48.97,29.63) v1(51.77,29.63) ; 45.76,33.19 46.38,32.57 v1(46.38,32.35)
+3V3: length 492
  Top w0.15: R24.2 44.41,26.77 v1(45.63,27.99) C41.2 47.1,30.34 46.82,30.62 46.82,31.38 47.08,31.64 U6.32 ; C45.2 48.14,37.68 48.14,36.31 48.57,35.89 U6.23
  Top w0.2: v1(92.9,21.82) 92.89,21.83 Q2.1 92.89,26.33 99.54,32.98 118.34,32.98 v1(118.73,33.37) ; R3.1 90.44,12.86 v1(90.83,13.25) ; 33.52,32.28 34.85,32.28 35.39,32.82 C54.2 ; v1(33.56,90.97) 33.54,90.99 R56.2 ; 63.35,77.92 63.36,77.91 v1(63.36,77.81) 63.24,77.92 R64.1 ; v1(10.82,94.59) 10.82,93.75 R52.2 ; 92.61,17.33 v1(92.61,16.15) ; v1(51.12,39.69) 51.12,39.68 R20.1 51.11,38.83 R21.1 ; R5.1 v1(91,19.12) ; Q1.1 v1(89.48,22.1) ; U6.11 53.37,32.44 53.92,31.89 C37.2 v1(53.92,31.04) 53.92,24.07 R25.2 ; 33.52,34.78 34.75,34.78 34.99,34.54 34.73,34.28 33.52,34.28 ; v1(36.7,27.99) R30.2 32.81,29.27 33.52,29.97 33.52,31.78 ; R34.2 R35.1 ; R50.2 17.12,90.98 v1(17.91,90.98) ; R4.1 v1(87.14,19.09) ; 33.52,35.78 34.72,35.78 34.97,35.53 34.72,35.28 33.52,35.28 ; 35.29,49.28 34.79,49.78 33.52,49.78
  Top w0.25: J16.2 35.77,56.26 C57.2 ; v1(140.33,32.22) R59.2 139.71,32.19 C73.1 ; 33.52,49.28 35.29,49.28 34.79,48.78 33.52,48.78 ; J16.72 36.19,73.76 C59.2 C60.2 35.41,74.69 34.98,74.26 J16.74 ; J16.4 C58.2 ; C51.2 C52.2 ; 37.12,71.5 37.22,71.41 37.19,71.38 R34.2
  Top w0.4: v1(36.17,51.92) v1(36.17,51.35) C51.2 35.45,49.28 35.29,49.28 ; 34.97,35.53 35.19,35.53 35.69,35.03 35.2,34.54 34.99,34.54 ; C58.2 C57.2 ; 33.52,31.78 36.09,31.78 C53.2 C54.2 ; v1(51.12,39.69) 51.12,41.38 v1(51.06,41.44) ; C13.2 C15.1
  Top w0.6: C59.2 v1(36.2,73.18) v1(36.2,72.75) 36.2,72.43 v1(36.39,72.24) v1(36.81,71.82) 36.88,71.75 ; 35.69,35.03 35.7,35.04 36.21,35.04 ; C58.2 v1(36.2,58.25) 36.2,58.6 ; R34.2 37.19,71.44 36.88,71.75 ; 36.21,41.77 C54.2 ; 36.88,71.75 37.12,71.5
  In2.PWR w0.2: v1(36.7,27.99) v1(45.63,27.99) ; 48.93,38.44 49.62,37.75 49.62,36.78 50.08,36.32 50.59,36.32 52.22,34.69 52.22,32.74 v1(53.92,31.04) ; v1(90.83,13.25) 92.61,15.04 v1(92.61,16.15) 92.61,17.51 v1(91,19.12)
  In2.PWR w0.4: v1(36.69,41.82) 51.11,41.82 ; v1(51.12,39.69) 50.18,39.69 48.07,37.58 48.07,36.85 v1(48.09,36.82)
  In2.PWR w0.6: 37.19,71.44 v1(36.39,72.24) 36.2,72.43 v1(36.2,73.18) ; v1(36.2,57.84) v1(36.2,58.66) 36.2,59.66 ; 36.2,52.52 36.2,51.95 v1(36.17,51.92)
  In2.PWR w1: 37.19,71.44 37.19,64.82 36.2,63.83 36.2,41.82
  Bottom w0.2: 89.04,20.04 90.12,20.04 90.12,20 v1(91,19.12) ; 89.04,20.04 87.76,20.04 87.14,19.42 v1(87.14,19.09) ; 89.04,20.04 89.04,21.66 v1(89.48,22.1) 89.69,22.31 92.41,22.31 v1(92.9,21.82) ; 63.38,75.38 63.38,77.78 v1(63.36,77.81) ; 124.6,34.12 119.48,34.12 v1(118.73,33.37) ; v1(10.82,94.59) 14.43,90.98 v1(17.91,90.98) 17.92,90.97 v1(33.56,90.97) 37.99,90.97 39.82,92.8 39.82,97.93 41.22,99.33 J14.1
  Bottom w0.25: 124.6,34.12 124.65,34.07 138.48,34.07 v1(140.33,32.22)
  Bottom w2: J14.1 56.8,99.33 56.83,99.36 66.24,99.36 67.38,98.22 67.38,77.75 65.01,75.38 45.53,75.38 42.6,72.45 24.21,72.45 22.79,71.03 22.79,68.99
  Bottom w3: 67.38,83.36 111.75,83.36 124.6,70.51 124.6,27.11
  vias: v1(36.18,41.8) v1(36.17,41.26) v1(36.66,41.25) v1(50.58,41.99) v1(50.57,41.45) v1(51.09,42.01) v1(124.66,26.56) v1(124.66,26.14) v1(124.66,25.68) v1(124.66,25.27) v1(125.11,26.56) v1(125.11,26.14) v1(125.11,25.68) v1(125.11,25.27) v1(125.57,26.56) v1(125.57,26.14) v1(125.57,25.68) v1(125.57,25.27) v1(126.02,26.56) v1(126.02,26.14) v1(126.02,25.68) v1(126.02,25.27) v1(126.48,26.56) v1(126.48,26.14) v1(126.48,25.68) v1(126.48,25.27) v2(14.14,49.05) v2(14.14,48.5) v2(14.16,47.97) v2(14.15,47.44) v2(14.69,49.05) v2(14.69,48.5) v2(14.71,47.97) v2(14.7,47.44) v2(15.25,49.05) v2(15.25,48.5) v2(15.27,47.97) v2(15.26,47.44) v2(15.82,49.06) v2(15.82,48.51) v2(15.84,47.98) v2(15.83,47.45) v2(16.35,49.07) v2(16.35,48.52) v2(16.37,47.99) v2(16.36,47.46) v2(21.09,68.67) v2(21.09,68.14) v2(21.09,67.61) v2(21.09,67.08) v2(21.65,68.68) v2(21.65,68.15) v2(21.65,67.62) v2(21.65,67.09) v2(22.21,68.7) v2(22.21,68.17) v2(22.21,67.64) v2(22.21,67.11) v2(22.75,68.68) v2(22.75,68.15) v2(22.75,67.62) v2(22.75,67.09) v2(23.3,68.66) v2(23.3,68.13) v2(23.3,67.6) v2(23.3,67.07) v2(23.84,68.65) v2(23.84,68.12) v2(23.84,67.59) v2(23.84,67.06)
